# Altium PCB DIO_MCX_Isolated.PCBDOC (part 3 of 5)
Units mm, origin at the board's own origin, x right, y up, seen from the top; angles counter-clockwise.
Board outline 220 x 100 mm, 4 copper layers (L1, P2, P3, L4), stack 1.571 mm thick; 384 components, 255 nets, 1667 pads, 660 vias.
Unrouted connection lines stored in the file: 783.
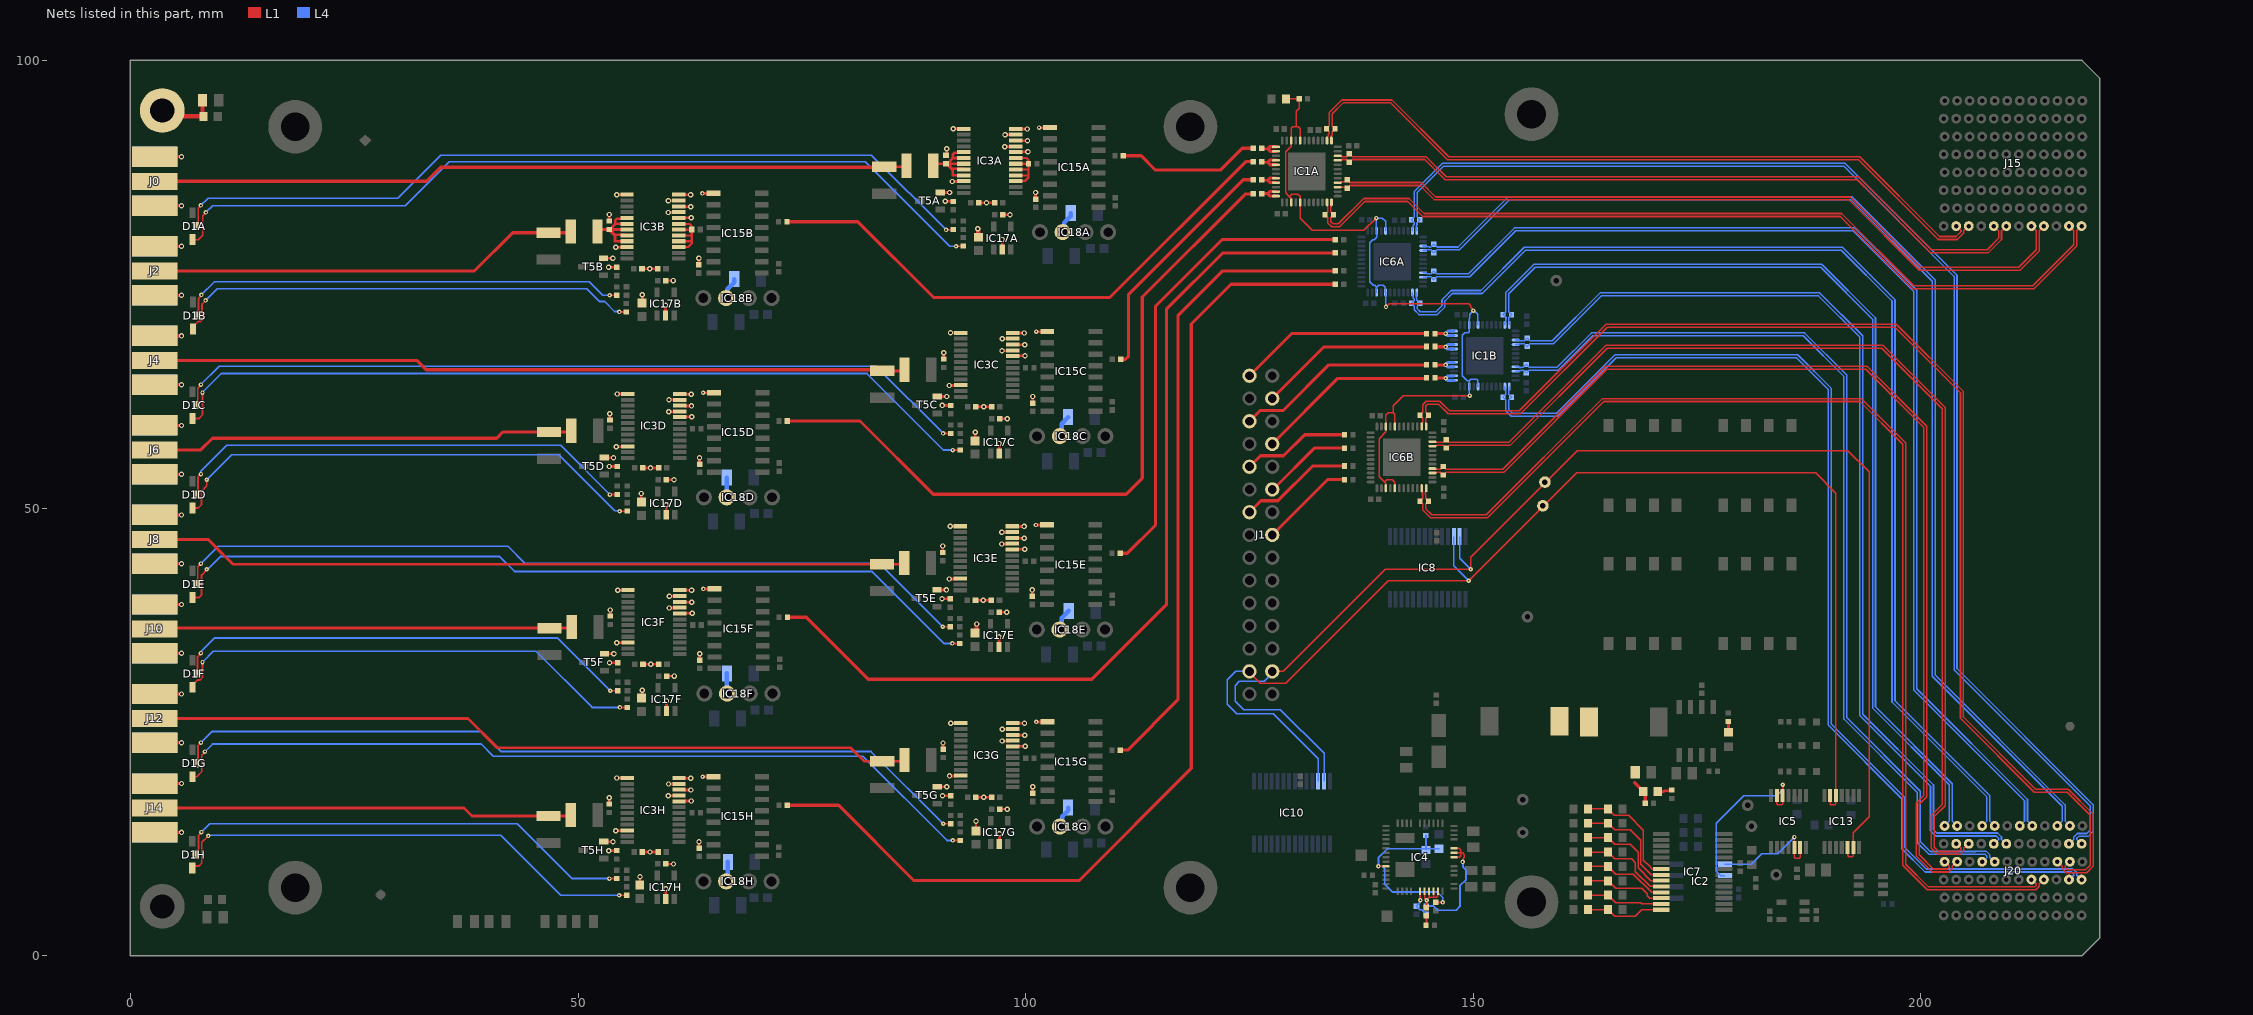
[diagram p5: the nets of this part, all layers, seen from the top]

## Via types
v1: diameter 0.5, hole 0.2, L1 to L4, tented both sides, 381 vias
v2: diameter 0.6, hole 0.3, L1 to L4, tented both sides, 206 vias
v3: diameter 0.5, hole 0.2, L1 to L4, 49 vias
v4: diameter 0.8, hole 0.5, L1 to L4, tented both sides, 19 vias
v5: diameter 0.7, hole 0.4, L1 to L4, tented both sides, 5 vias

## Nets (pads, with @x,y where several pads share a name; then routed paths per layer and width w, separated by ;. In a path a pad name is that pad's centre, name@x,y a point inside that pad or via, vN(x,y) a via of type N, cw(c..) or ccw(c..) an arc to the next point about the centre after c; other vN are vias at no path point) (continued)
GND_ISO0: C31A.1 C32A.1 C34A.1 C35A.1 C36A.1 C39A.1 IC3A.8 IC3A.9 IC3A.10 IC3A.11 IC3A.12 IC3A.13 IC3A.22 IC15A.9 IC17A.2 IC18A.3 J0.2 R65A.1 R67A.1 T5A.2 | length 29.5
  L1 w0.254: C34A.1@97.444,82.767 v2(98.25,82.767)
  L1 w0.3: J0.2@2.74,83.769 v2(5.704,83.769) ; J0.2@2.74,89.23 v2(5.704,89.23) ; T5A.2@90.45,85.261 90.461,85.25 v2(91.5,85.25) ; v2(91.014,84.257) R67A.1@91.93,84.257 ; R65A.1@91.075,89.437 R65A.1@91.1,89.412 ; R65A.1@91.175,89.437 v2(91.175,90.15) ; v2(91.8,86.475) IC3A.22@92.625,86.475 ; v2(91.925,92.361) IC3A.13@92.75,92.361 ; C31A.1@94.8,84.1 v2(95.625,84.1) C32A.1@96.529,84.1 ; IC17A.2@97.379,78.867 v2(97.379,80) ; v2(97.675,90.375) IC3A.9@98.5,90.375 ; v2(97.7,91.7) IC3A.11@98.525,91.7 ; IC3A.12@99.35,92.342 v2(100.175,92.342) ; IC3A.10@99.375,91.025 v2(100.2,91.025) ; IC3A.8@99.425,89.8 v2(100.25,89.8) ; C36A.1@101.105,84.517 v2(101.105,85.25) ; v1(101.5,92.5) 102.717,92.5 IC15A.9@102.73,92.512
  L1 w0.5: v2(94.659,81.204) 94.679,81.185 94.679,80.297 C35A.1@94.725,80.25
  L4 w0.3: J0.2@2.74,83.769 v2(5.704,83.769) ; J0.2@2.74,89.23 v2(5.704,89.23)
  L4 w0.5: IC18A.3@104.135,80.817 104.325,81.008 104.325,81.893 105.05,82.618 C39A.1@105.05,82.943
GND_ISO2: C31B.1 C32B.1 C34B.1 C35B.1 C36B.1 C39B.1 IC3B.8 IC3B.9 IC3B.10 IC3B.11 IC3B.12 IC3B.13 IC3B.22 IC15B.9 IC17B.2 IC18B.3 J2.2 R65B.1 R67B.1 T5B.2 | length 29.8
  L1 w0.254: C35B.1@57.123,72.586 57.175,72.637 v2(57.175,73.835) ; C34B.1@59.839,75.411 v2(60.645,75.411)
  L1 w0.3: J2.2@2.74,73.769 v2(5.704,73.769) ; J2.2@2.74,79.23 v2(5.704,79.23) ; T5B.2@52.845,77.904 52.856,77.893 v2(53.895,77.893) ; v2(53.409,76.901) R67B.1@54.325,76.901 ; v2(53.47,82.793) 53.47,82.081 R65B.1@53.495,82.056 ; v2(54.195,79.118) IC3B.22@55.02,79.118 ; v2(54.32,85.004) IC3B.13@55.145,85.004 ; C31B.1@57.195,76.743 v2(58.02,76.743) C32B.1@58.924,76.743 ; IC17B.2@59.774,71.511 v2(59.774,72.643) ; v2(60.07,83.018) IC3B.9@60.895,83.018 ; v2(60.095,84.343) IC3B.11@60.92,84.343 ; IC3B.12@61.745,84.985 v2(62.57,84.985) ; IC3B.10@61.77,83.668 v2(62.595,83.668) ; IC3B.8@61.82,82.443 v2(62.645,82.443) ; C36B.1@63.5,77.161 v2(63.5,77.893) ; v1(63.895,85.143) 65.113,85.143 IC15B.9@65.125,85.156
  L4 w0.3: J2.2@2.74,73.769 v2(5.704,73.769) ; J2.2@2.74,79.23 v2(5.704,79.23)
  L4 w0.5: IC18B.3@66.53,73.461 66.53,73.571 66.675,73.716 66.675,74.436 67.445,75.206 C39B.1@67.445,75.586
GND_ISO4: C31C.1 C32C.1 C34C.1 C35C.1 C36C.1 C39C.1 IC3C.8 IC3C.9 IC3C.10 IC3C.11 IC3C.12 IC3C.13 IC3C.22 IC15C.9 IC17C.2 IC18C.3 J4.2 R65C.1 R67C.1 T5C.2 | length 29.8
  L1 w0.254: C35C.1@94.326,57.216 94.375,57.265 v2(94.375,58.475) ; C34C.1@97.124,59.978 v2(97.93,59.978)
  L1 w0.3: J4.2@2.74,63.769 v2(5.704,63.769) ; J4.2@2.74,69.23 v2(5.704,69.23) ; T5C.2@90.13,62.471 90.14,62.461 v2(91.18,62.461) ; v2(90.694,61.468) R67C.1@91.61,61.468 ; v2(90.855,67.361) R65C.1@90.855,66.648 R65C.1@90.88,66.623 ; v2(91.48,63.686) IC3C.22@92.305,63.686 ; v2(91.605,69.572) IC3C.13@92.43,69.572 ; C31C.1@94.48,61.311 v2(95.305,61.311) C32C.1@96.209,61.311 ; IC17C.2@97.059,56.078 v2(97.059,57.211) ; v2(97.355,67.586) IC3C.9@98.18,67.586 ; v2(97.38,68.911) IC3C.11@98.205,68.911 ; IC3C.12@99.03,69.553 v2(99.855,69.553) ; IC3C.10@99.055,68.236 v2(99.88,68.236) ; IC3C.8@99.105,67.011 v2(99.93,67.011) ; C36C.1@100.785,61.728 v2(100.785,62.461) ; v1(101.18,69.711) 102.397,69.711 IC15C.9@102.41,69.723
  L4 w0.3: J4.2@2.74,63.769 v2(5.704,63.769) ; J4.2@2.74,69.23 v2(5.704,69.23)
  L4 w0.5: IC18C.3@103.815,58.028 104.013,58.227 104.013,59.437 C39C.1@104.73,60.153
GND_ISO6: C31D.1 C32D.1 C34D.1 C35D.1 C36D.1 C39D.1 IC3D.8 IC3D.9 IC3D.10 IC3D.11 IC3D.12 IC3D.13 IC3D.22 IC15D.9 IC17D.2 IC18D.3 J6.2 R65D.1 R67D.1 T5D.2 | length 29.5
  L1 w0.254: v2(57.047,51.63) 57.047,50.379 C35D.1@57.07,50.355 ; C34D.1@59.909,53.154 v2(60.715,53.154)
  L1 w0.3: J6.2@2.74,53.769 v2(5.704,53.769) ; J6.2@2.74,59.23 v2(5.704,59.23) ; T5D.2@52.915,55.647 52.926,55.636 v2(53.965,55.636) ; v2(53.479,54.644) R67D.1@54.395,54.644 ; v2(53.54,60.536) 53.54,59.824 R65D.1@53.565,59.799 ; v2(54.265,56.861) IC3D.22@55.09,56.861 ; v2(54.39,62.747) IC3D.13@55.215,62.747 ; C31D.1@57.265,54.486 v2(58.09,54.486) C32D.1@58.994,54.486 ; IC17D.2@59.844,49.254 v2(59.844,50.386) ; v2(60.14,60.761) IC3D.9@60.965,60.761 ; v2(60.165,62.086) IC3D.11@60.99,62.086 ; IC3D.12@61.815,62.729 v2(62.64,62.729) ; IC3D.10@61.84,61.411 v2(62.665,61.411) ; IC3D.8@61.89,60.186 v2(62.715,60.186) ; C36D.1@63.57,54.904 v2(63.57,55.636) ; v1(63.965,62.886) 65.183,62.886 IC15D.9@65.195,62.899
  L4 w0.3: J6.2@2.74,53.769 v2(5.704,53.769) ; J6.2@2.74,59.23 v2(5.704,59.23)
  L4 w0.5: IC18D.3@66.6,51.204 66.62,51.224 C39D.1@66.62,53.404
GND_ISO8: C31E.1 C32E.1 C34E.1 C35E.1 C36E.1 C39E.1 IC3E.8 IC3E.9 IC3E.10 IC3E.11 IC3E.12 IC3E.13 IC3E.22 IC15E.9 IC17E.2 IC18E.3 J8.2 R65E.1 R67E.1 T5E.2 | length 29.6
  L1 w0.254: C34E.1@97.089,38.377 v2(97.895,38.377)
  L1 w0.3: J8.2@2.74,43.769 v2(5.704,43.769) ; J8.2@2.74,49.23 v2(5.704,49.23) ; T5E.2@90.095,40.87 90.106,40.859 v2(91.145,40.859) ; v2(90.659,39.867) R67E.1@91.575,39.867 ; v2(90.72,45.759) R65E.1@90.72,45.047 R65E.1@90.745,45.022 ; v2(91.445,42.084) IC3E.22@92.27,42.084 ; v2(91.57,47.971) IC3E.13@92.395,47.971 ; C31E.1@94.445,39.709 v2(95.27,39.709) C32E.1@96.174,39.709 ; IC17E.2@97.024,34.477 v2(97.024,35.609) ; v2(97.32,45.984) IC3E.9@98.145,45.984 ; v2(97.345,47.309) IC3E.11@98.17,47.309 ; IC3E.12@98.995,47.952 v2(99.82,47.952) ; IC3E.10@99.02,46.634 v2(99.845,46.634) ; IC3E.8@99.07,45.409 v2(99.895,45.409) ; C36E.1@100.75,40.127 v2(100.75,40.859) ; v1(101.145,48.109) 102.363,48.109 IC15E.9@102.375,48.122
  L1 w0.5: C35E.1@94.35,36.035 94.506,36.191 94.506,37.031 v2(94.525,37.05)
  L4 w0.3: J8.2@2.74,43.769 v2(5.704,43.769) ; J8.2@2.74,49.23 v2(5.704,49.23)
  L4 w0.5: IC18E.3@103.78,36.427 104.029,36.676 104.029,37.729 C39E.1@104.825,38.525
GND_ISO10: C31F.1 C32F.1 C34F.1 C35F.1 C36F.1 C39F.1 IC3F.8 IC3F.9 IC3F.10 IC3F.11 IC3F.12 IC3F.13 IC3F.22 IC15F.9 IC17F.2 IC18F.3 J10.2 R65F.1 R67F.1 T5F.2 | length 29.4
  L1 w0.254: C35F.1@57.103,28.49 57.16,28.547 v2(57.16,29.639) ; C34F.1@59.949,31.234 v2(60.755,31.234)
  L1 w0.3: J10.2@2.74,33.769 v2(5.704,33.769) ; J10.2@2.74,39.23 v2(5.704,39.23) ; T5F.2@52.955,33.728 52.966,33.717 v2(54.005,33.717) ; v2(53.519,32.724) R67F.1@54.435,32.724 ; v2(53.58,38.617) 53.58,37.904 R65F.1@53.605,37.879 ; v2(54.305,34.942) IC3F.22@55.13,34.942 ; v2(54.43,40.828) IC3F.13@55.255,40.828 ; C31F.1@57.305,32.567 v2(58.13,32.567) C32F.1@59.034,32.567 ; IC17F.2@59.884,27.334 v2(59.884,28.467) ; v2(60.18,38.842) IC3F.9@61.005,38.842 ; v2(60.205,40.167) IC3F.11@61.03,40.167 ; IC3F.12@61.855,40.809 v2(62.68,40.809) ; IC3F.10@61.88,39.492 v2(62.705,39.492) ; IC3F.8@61.93,38.267 v2(62.755,38.267) ; C36F.1@63.61,32.984 v2(63.61,33.717) ; v1(64.005,40.967) 65.223,40.967 IC15F.9@65.235,40.979
  L4 w0.3: J10.2@2.74,33.769 v2(5.704,33.769) ; J10.2@2.74,39.23 v2(5.704,39.23)
  L4 w0.5: C39F.1@66.635,31.534 66.635,29.289 IC18F.3@66.64,29.284
GND_ISO12: C31G.1 C32G.1 C34G.1 C35G.1 C36G.1 C39G.1 IC3G.8 IC3G.9 IC3G.10 IC3G.11 IC3G.12 IC3G.13 IC3G.22 IC15G.9 IC17G.2 IC18G.3 J12.2 R65G.1 R67G.1 T5G.2 | length 29.9
  L1 w0.254: C35G.1@94.453,13.648 v2(94.453,15.022) ; C34G.1@97.132,16.375 v2(97.938,16.375)
  L1 w0.3: J12.2@2.74,23.769 v2(5.704,23.769) ; J12.2@2.74,29.23 v2(5.704,29.23) ; T5G.2@90.138,18.868 90.149,18.858 v2(91.188,18.858) ; v2(90.702,17.865) R67G.1@91.618,17.865 ; v2(90.763,23.758) 90.763,23.045 R65G.1@90.788,23.02 ; v2(91.488,20.083) IC3G.22@92.313,20.083 ; v2(91.613,25.969) IC3G.13@92.438,25.969 ; C31G.1@94.488,17.708 v2(95.313,17.708) C32G.1@96.217,17.708 ; IC17G.2@97.067,12.475 v2(97.067,13.608) ; v2(97.363,23.983) IC3G.9@98.188,23.983 ; v2(97.388,25.308) IC3G.11@98.213,25.308 ; IC3G.12@99.038,25.95 v2(99.863,25.95) ; IC3G.10@99.063,24.633 v2(99.888,24.633) ; IC3G.8@99.113,23.408 v2(99.938,23.408) ; C36G.1@100.793,18.125 v2(100.793,18.858) ; v1(101.188,26.108) 102.405,26.108 IC15G.9@102.418,26.12
  L4 w0.3: J12.2@2.74,23.769 v2(5.704,23.769) ; J12.2@2.74,29.23 v2(5.704,29.23)
  L4 w0.5: IC18G.3@103.823,14.425 104.072,14.674 104.072,15.559 104.738,16.225 C39G.1@104.738,16.55
GND_ISO14: C31H.1 C32H.1 C34H.1 C35H.1 C36H.1 C39H.1 IC3H.8 IC3H.9 IC3H.10 IC3H.11 IC3H.12 IC3H.13 IC3H.22 IC15H.9 IC17H.2 IC18H.3 J14.2 R65H.1 R67H.1 T5H.2 | length 29.5
  L1 w0.254: C35H.1@56.89,7.574 56.917,7.601 v2(56.917,8.823) ; C34H.1@59.852,10.249 v2(60.658,10.249)
  L1 w0.3: J14.2@2.74,13.769 v2(5.704,13.769) ; J14.2@2.74,19.23 v2(5.704,19.23) ; T5H.2@52.858,12.742 52.869,12.732 v2(53.908,12.732) ; v2(53.422,11.739) R67H.1@54.338,11.739 ; v2(53.483,17.632) 53.483,16.919 R65H.1@53.508,16.894 ; v2(54.208,13.957) IC3H.22@55.033,13.957 ; v2(54.333,19.843) IC3H.13@55.158,19.843 ; C31H.1@57.208,11.582 v2(58.033,11.582) C32H.1@58.937,11.582 ; IC17H.2@59.787,6.349 v2(59.787,7.482) ; v2(60.083,17.857) IC3H.9@60.908,17.857 ; v2(60.108,19.182) IC3H.11@60.933,19.182 ; IC3H.12@61.758,19.824 v2(62.583,19.824) ; IC3H.10@61.783,18.507 v2(62.608,18.507) ; IC3H.8@61.833,17.282 v2(62.658,17.282) ; C36H.1@63.513,11.999 v2(63.513,12.732) ; v1(63.908,19.982) 65.126,19.982 IC15H.9@65.138,19.994
  L4 w0.3: J14.2@2.74,13.769 v2(5.704,13.769) ; J14.2@2.74,19.23 v2(5.704,19.23)
  L4 w0.5: IC18H.3@66.543,8.299 66.738,8.494 C39H.1@66.738,10.474
I2C0_SCL: B8.1 IC8.12 IC10.12 IC13.2 IC13.3 J1.4 | length 139.7
  L1 w0.152: J1.4@125,31.76 125,31.6 126.175,30.425 129.075,30.425 140.525,41.875 v1(149.5,41.875) 161.55,53.925 188.25,53.925 190.505,51.67 IC13.3@190.505,17.9 190.505,16.946 190.409,16.85 189.95,16.85 189.855,16.945 IC13.2@189.855,17.9
  L4 w0.152: J1.4@125,31.76 123.46,31.76 122.5,30.8 122.5,28.1 123.575,27.025 127.675,27.025 132.675,22.025 IC10.12@132.675,19.475 ; IC8.12@147.825,46.825 147.825,43.559 v1@149.505,41.88
I2C0_SDA: B7.1 IC8.13 IC10.13 IC13.9 IC13.10 J1.3 | length 150.3
  L1 w0.152: J1.3@127.54,31.76 128.76,31.76 140.171,43.171 v1(149.725,43.171) 149.725,44.506 161.637,56.418 191.832,56.418 194.2,54.05 194.2,15.5 192.455,13.755 IC13.9@192.455,12.1 192.455,11.139 192.366,11.05 191.955,11.05 191.805,11.2 191.805,12 191.855,12.05 IC13.10@191.805,12.1
  L4 w0.152: J1.3@127.54,31.76 127.54,31.54 126.65,30.65 123.878,30.65 123.4,30.172 123.4,28.45 124.364,27.486 128.439,27.486 133.325,22.6 IC10.13@133.325,19.475 ; IC8.13@148.475,46.825 148.475,44.373 v1@149.701,43.147
I2C1_SCL: IC2.6 IC5.2 IC5.3 | length 19.9
  L1 w0.152: IC5.2@183.905,17.9 183.905,16.947 184.002,16.85 184.466,16.85 184.555,16.939 IC5.3@184.555,17.9 v1(184.555,19.084)
  L4 w0.152: IC2.6@178.105,8.955 177.63,8.955 177.127,9.458 177.127,14.777 180.225,17.875 183.88,17.875 184.555,18.55 v1(184.555,19.084)
I2C1_SDA: IC2.5 IC5.9 IC5.10 | length 13.3
  L1 w0.151: v1@185.875,13.035 v1(185.875,13.25)
  L1 w0.152: v1(185.875,13.25) 185.865,13.24 185.865,12.11 IC5.10@185.855,12.1 185.855,10.989 185.944,10.9 186.4,10.9 186.505,11.005 IC5.9@186.505,12.1
  L4 w0.151: IC2.5@178.105,10.225 181.065,10.225 182.247,11.408 184.033,11.408 v1(185.875,13.25)
ID0: IC7.21 R45.1 R56.2 | length 13
  L1 w0.152: R45.1@162.8,16.4 R56.2@165.049,16.4 165.753,15.697 167.337,15.697 169,14.034 169,10.657 169.682,9.975 169.682,9.964 169.964,9.682 IC7.21@171,9.682
ID1: IC7.22 R41.1 R50.2 | length 12.2
  L1 w0.152: R41.1@162.8,14.793 R50.2@165.049,14.793 165.799,14.043 167.543,14.043 168.7,12.886 168.7,10.2 169.868,9.032 IC7.22@171,9.032
ID2: IC7.23 R44.1 R55.2 | length 11.2
  L1 w0.152: R44.1@162.8,13.186 R55.2@165.049,13.186 165.799,12.436 167.513,12.436 168.4,11.549 168.4,9.8 169.818,8.382 IC7.23@171,8.382
ID3: IC7.24 R40.1 R49.2 | length 10.4
  L1 w0.152: R40.1@162.8,11.579 R49.2@165.049,11.579 165.799,10.829 167.671,10.829 168.1,10.4 168.1,9.4 169.768,7.732 IC7.24@171,7.732
ID4: IC7.25 R43.1 R54.2 | length 9.4
  L1 w0.152: R43.1@162.8,9.971 R54.2@165.049,9.971 165.907,9.114 167.886,9.114 169.918,7.082 IC7.25@171,7.082
ID5: IC7.26 R39.1 R48.2 | length 9.1
  L1 w0.152: R39.1@162.8,8.364 R48.2@165.049,8.364 165.907,7.507 168.813,7.507 169.425,6.896 169.425,6.689 169.682,6.432 IC7.26@171,6.432
ID6: IC7.27 R42.1 R53.2 | length 8.6
  L1 w0.152: R42.1@162.8,6.757 R53.2@165.049,6.757 165.907,5.9 168.685,5.9 168.803,5.782 IC7.27@171,5.782
ID7: IC7.28 R38.1 R47.2 | length 8.8
  L1 w0.152: R38.1@162.8,5.15 R47.2@165.049,5.15 165.799,4.4 168.071,4.4 168.803,5.132 IC7.28@171,5.132
IO0: R15A.2 R20A.1 | length 16.2
  L1 w0.35: R15A.2@110.9,89.35 112.9,89.35 114.5,87.75 121.73,87.75 124.18,90.2 R20A.1@125.43,90.2
IO1: J1.30 R17B.1 | length 21.7
  L1 w0.35: J1.30@125,64.78 129.714,69.494 R17B.1@144.78,69.494
IO2: R15B.2 R19A.1 | length 61.9
  L1 w0.35: R15B.2@73.325,81.981 81.261,81.981 89.707,73.535 109.425,73.535 124.592,88.702 R19A.1@125.43,88.702
IO3: J1.27 R18B.1 | length 19.6
  L1 w0.35: J1.27@127.54,62.24 133.294,67.994 144.726,67.994 R18B.1@144.78,68.048
IO4: R15C.2 R18A.1 | length 27.2
  L1 w0.35: R15C.2@110.61,66.6 110.633,66.623 111.155,66.623 111.5,66.968 111.5,73.87 124.3,86.67 R18A.1@125.43,86.67
IO5: J1.26 R19B.1 | length 22.4
  L1 w0.35: J1.26@125,59.7 126.2,60.9 128.775,60.9 133.869,65.994 R19B.1@144.78,65.994
IO6: R15D.2 R17A.1 | length 81.2
  L1 w0.35: R15D.2@73.37,59.724 81.491,59.724 89.678,51.538 111.217,51.538 113.028,53.348 113.028,73.578 124.3,84.85 124.55,85.1 R17A.1@125.43,85.1
IO7: J1.23 R20B.1 | length 20.3
  L1 w0.35: J1.23@127.54,57.16 134.874,64.494 144.722,64.494 R20B.1@144.78,64.551
IO8: R15E.2 R22A.1 | length 52.9
  L1 w0.35: R15E.2@110.57,44.947 111.35,44.947 114.5,48.097 114.5,72.55 121.946,79.996 R22A.1@134.589,79.996
IO9: J1.22 R26B.1 | length 12.1
  L1 w0.35: J1.22@125,54.62 126.23,55.85 128.806,55.85 131.154,58.197 R26B.1@135.605,58.197
IO10: R15F.2 R23A.1 | length 103.1
  L1 w0.35: R15F.2@73.395,37.8 75.49,37.8 75.495,37.805 82.419,30.881 107.393,30.881 115.75,39.239 115.75,72.25 121.996,78.496 R23A.1@134.589,78.496
IO11: J1.19 R25B.1 | length 9.7
  L1 w0.35: J1.19@127.787,52.245 132.242,56.7 R25B.1@135.605,56.7
IO12: R15G.2 R25A.1 | length 71.3
  L1 w0.35: R15G.2@110.57,22.946 110.585,22.961 111.385,22.961 117,28.576 117,30.121 117,65.269 117,71.5 121.996,76.496 134.58,76.496 R25A.1@134.589,76.505
IO13: J1.18 R23B.1 | length 12.7
  L1 w0.35: J1.18@125,49.54 126.285,50.825 128.175,50.825 132.05,54.7 R23B.1@135.605,54.7
IO14: R15H.2 R26A.1 | length 121.4
  L1 w0.35: R15H.2@73.37,16.8 79.1,16.8 87.518,8.382 105.957,8.382 118.5,20.925 118.5,70.564 122.932,74.996 134.585,74.996 R26A.1@134.589,75
IO15: J1.15 R22B.1 | length 10.6
  L1 w0.35: J1.15@127.54,47 133.725,53.185 135.595,53.185 R22B.1@135.605,53.175
IO_CON0: J0.1 R62A.1 R64A.2 | length 84.5
  L1 w0.3: R64A.2@84.099,88.118 86.453,88.118 R62A.1@86.58,88.245
  L1 w0.35: J0.1@2.74,86.5 33.068,86.5 34.643,88.075 83.682,88.075 R64A.2@83.98,88.372
IO_CON2: J2.1 R62B.1 R64B.2 | length 48.3
  L1 w0.35: J2.1@2.74,76.5 38.429,76.5 42.691,80.761 R64B.2@46.694,80.761 49.049,80.761 R62B.1@49.175,80.888
IO_CON4: J4.1 R62C.1 R64C.2 | length 85
  L1 w0.35: J4.1@2.74,66.5 32,66.5 33.045,65.455 R64C.2@84.803,65.455 ; R64C.2@83.979,65.329 86.333,65.329 R62C.1@86.46,65.455
IO_CON6: J6.1 R62D.1 R64D.2 | length 47.4
  L1 w0.35: J6.1@2.74,56.5 7.857,56.5 9.162,57.805 40.9,57.805 41.6,58.504 R64D.2@46.764,58.504 49.119,58.504 R62D.1@49.245,58.631
IO_CON8: J8.1 R62E.1 R64E.2 | length 84.9
  L1 w0.3: 10.25,44.912 11.434,43.728 R64E.2@83.944,43.728 86.299,43.728 R62E.1@86.425,43.854
  L1 w0.35: J8.1@2.74,46.5 8.662,46.5 10.25,44.912
IO_CON10: J10.1 R62F.1 R64F.2 | length 46.6
  L1 w0.35: J10.1@2.74,36.5 2.825,36.585 R64F.2@46.804,36.585 49.159,36.585 R62F.1@49.285,36.711
IO_CON12: J12.1 R62G.1 R64G.2 | length 85.8
  L1 w0.3: 17.833,26.5 37.7,26.5 40.972,23.228 80.45,23.228 81.952,21.726 R64G.2@83.987,21.726 86.342,21.726 R62G.1@86.468,21.852
  L1 w0.35: J12.1@2.74,26.5 17.833,26.5
IO_CON14: J14.1 R62H.1 R64H.2 | length 46.9
  L1 w0.35: J14.1@2.74,16.5 37.255,16.5 38.155,15.6 R64H.2@46.707,15.6 49.062,15.6 R62H.1@49.188,15.726
LEDAA: D1A.1 R66A.2 | length 92.4
  L1 w0.152: D1A.1@7.321,81.5 7.575,81.754 7.575,83.504 v1(7.871,83.8) ; v1(91.11,81.075) 91.877,81.075 R66A.2@91.93,81.128
  L4 w0.152: v1(7.871,83.8) 8.696,84.625 29.875,84.625 34.687,89.437 82.747,89.437 v1(91.11,81.075)
LEDAB: D1B.1 R66B.2 | length 50.2
  L1 w0.2: D1B.1@7.377,71.508 7.587,71.717 7.587,73.386 7.927,73.726 v1(7.927,73.808) ; v1(53.52,73.771) R66B.2@54.325,73.771
  L4 w0.2: v1(7.927,73.808) 9.395,75.275 51.261,75.275 52.765,73.771 v1(53.52,73.771)
LEDAC: D1C.1 R66C.2 | length 90.2
  L1 w0.2: D1C.1@7.321,61.5 7.531,61.71 7.531,63.379 7.871,63.719 v1(7.871,63.8) ; v1(90.774,58.338) R66C.2@91.61,58.338
  L4 w0.2: v1(7.871,63.8) 9.921,65.85 83.263,65.85 v1(90.774,58.338)
LEDAD: D1D.1 R66D.2 | length 52.9
  L1 w0.2: D1D.1@7.321,51.5 7.55,51.729 7.55,53.479 v1(7.871,53.8) ; v1(53.56,51.514) R66D.2@54.395,51.514
  L4 w0.2: v1(7.871,53.8) 7.871,54.121 10.775,57.025 48.049,57.025 v1(53.56,51.514)
LEDAE: D1E.1 R66E.2 | length 90.8
  L1 w0.2: D1E.1@7.321,41.5 7.531,41.71 7.531,43.46 v1(7.871,43.8) ; v1(90.74,36.737) R66E.2@91.575,36.737
  L4 w0.2: v1(7.871,43.8) 9.796,45.725 42.175,45.725 44.1,43.8 83.677,43.8 v1(90.74,36.737)
LEDAF: D1F.1 R66F.2 | length 52.3
  L1 w0.2: D1F.1@7.321,31.5 7.5,31.679 7.5,33.393 7.871,33.764 v1(7.871,33.8) ; v1(53.6,29.594) R66F.2@54.435,29.594
  L4 w0.2: v1(7.871,33.8) 7.871,33.971 9.4,35.5 47.695,35.5 v1(53.6,29.594)
LEDAG: D1G.1 R66G.2 | length 91.1
  L1 w0.2: D1G.1@7.321,21.5 7.55,21.729 7.55,23.479 v1(7.871,23.8) ; v1(90.783,14.735) R66G.2@91.618,14.735
  L4 w0.2: v1(7.871,23.8) 9.121,25.05 39.15,25.05 41.4,22.8 82.718,22.8 v1(90.783,14.735)
LEDAH: D1H.1 R66H.2 | length 51.9
  L1 w0.2: D1H.1@7.377,11.508 7.587,11.717 7.587,13.386 7.927,13.726 v1(7.927,13.808) ; v1(53.503,8.609) R66H.2@54.338,8.609
  L4 w0.2: v1(7.927,13.808) 8.87,14.75 43.195,14.75 49.335,8.609 v1(53.503,8.609)
LVDS1A_N: IC1A.48 J15.B1 R7A.2 | length 95
  L1 w0.178: IC1A.48@134.156,84.15 134.156,83.817 134.071,83.732 134.071,83.487 134.077,83.481 134.077,83.092 134.382,82.787 R7A.2@134.382,82.767 134.382,82.747 134.077,82.443 134.077,82.191 134.077,81.989 134.317,81.75 134.922,81.75 137.753,84.58 142.82,84.58 144.5,82.9 191.136,82.9 199.206,74.83 212.489,74.83 217.074,79.415 217.074,80.965 J15.B1@216.539,81.5
LVDS1A_P: IC1A.47 J15.A1 R7A.1 | length 96.1
  L1 w0.178: IC1A.47@133.656,84.15 133.656,83.817 133.741,83.732 133.741,83.35 133.747,83.344 133.747,83.092 133.442,82.787 R7A.1@133.442,82.767 133.442,82.747 133.747,82.443 133.747,82.054 133.747,81.853 134.18,81.42 135.059,81.42 137.889,84.25 142.683,84.25 144.363,82.57 190.999,82.57 199.069,74.5 212.626,74.5 217.404,79.278 217.404,80.965 J15.A1@217.939,81.5
LVDS1B_N: IC1B.48 J20.L6 R7B.2 | length 108.4
  L4 w0.178: IC1B.48@154.032,70.473 154.032,70.806 153.947,70.891 153.947,70.986 153.952,70.991 153.952,71.292 154.057,71.396 154.069,71.396 154.27,71.598 R7B.2@154.27,71.618 154.27,71.638 153.965,71.942 153.965,73.94 156.925,76.9 188.8,76.9 194.6,71.1 194.6,27.658 203.174,19.084 203.174,15.035 J20.L6@202.639,14.5
LVDS1B_P: IC1B.47 J20.K6 R7B.1 | length 109.5
  L4 w0.178: IC1B.47@153.532,70.473 153.532,70.806 153.617,70.891 153.617,71.087 153.648,71.117 153.648,71.292 153.543,71.396 153.531,71.396 153.33,71.598 R7B.1@153.33,71.618 153.33,71.638 153.635,71.942 153.635,74.077 156.788,77.23 188.937,77.23 194.93,71.237 194.93,27.795 203.504,19.221 203.504,15.035 J20.K6@204.039,14.5
LVDS2A_N: IC1A.4 J15.E1 R9A.2 | length 85.9
  L1 w0.178: IC1A.4@134.856,86.35 135.189,86.35 135.308,86.469 135.699,86.469 R9A.2@135.9,86.67 135.92,86.67 136.225,86.365 144.174,86.365 145.789,84.75 192.105,84.75 199.955,76.9 210.932,76.9 212.874,78.841 212.874,80.965 J15.E1@212.339,81.5
LVDS2A_P: IC1A.3 J15.D1 R9A.1 | length 86.3
  L1 w0.178: IC1A.3@134.856,85.85 135.78,85.85 R9A.1@135.9,85.73 135.92,85.73 136.225,86.035 144.038,86.035 145.653,84.42 191.968,84.42 199.818,76.57 211.069,76.57 213.204,78.705 213.204,80.965 J15.D1@213.739,81.5
LVDS2B_N: IC1B.4 J20.H5 R9B.2 | length 110.1
  L4 w0.178: IC1B.4@154.732,68.273 155.065,68.273 155.15,68.357 155.262,68.357 155.269,68.365 155.682,68.365 155.786,68.261 155.786,68.249 155.987,68.048 R9B.2@156.007,68.048 156.027,68.048 156.332,68.352 158.952,68.352 164.3,73.7 188.57,73.7 193.17,69.1 193.17,26.83 201.07,18.93 201.07,13.946 201.641,13.375 208.419,13.375 208.674,13.12 208.674,12.973 208.201,12.5 J20.H5@208.139,12.5
LVDS2B_P: IC1B.3 J20.G5 R9B.1 | length 110.7
  L4 w0.178: IC1B.3@154.732,68.773 155.065,68.773 155.15,68.688 155.262,68.688 155.279,68.67 155.682,68.67 155.786,68.774 155.786,68.786 155.987,68.988 R9B.1@156.007,68.988 156.027,68.988 156.332,68.683 158.816,68.683 164.163,74.03 188.707,74.03 193.5,69.237 193.5,26.967 201.4,19.067 201.4,14.083 201.778,13.705 208.556,13.705 209.004,13.257 209.004,12.973 209.477,12.5 J20.G5@209.539,12.5
LVDS3A_N: IC1A.10 J15.H1 R11A.2 | length 80.5
  L1 w0.178: IC1A.10@134.856,89.35 135.189,89.35 135.274,89.265 135.831,89.265 136.136,89.57 R11A.2@136.156,89.57 136.176,89.57 136.481,89.265 136.893,89.265 136.895,89.264 144.702,89.264 146.966,87 193.036,87 201.169,78.867 207.4,78.867 208.674,80.141 208.674,80.965 J15.H1@208.139,81.5
LVDS3A_P: IC1A.9 J15.G1 R11A.1 | length 81.1
  L1 w0.178: IC1A.9@134.856,88.85 135.189,88.85 135.274,88.935 135.831,88.935 136.136,88.63 R11A.1@136.156,88.63 136.176,88.63 136.481,88.935 136.756,88.935 136.758,88.934 144.565,88.934 146.829,86.67 192.899,86.67 194.697,84.872 201.032,78.537 207.537,78.537 209.004,80.004 209.004,80.965 J15.G1@209.539,81.5
LVDS3B_N: IC1B.10 J20.I4 R11B.2 | length 105.2
  L4 w0.178: IC1B.10@154.732,65.273 155.065,65.273 155.15,65.357 155.363,65.357 155.42,65.415 155.607,65.415 155.711,65.311 155.711,65.299 155.912,65.098 R11B.2@155.932,65.098 155.952,65.098 156.257,65.402 159.497,65.402 163.331,69.237 186.863,69.237 191.4,64.7 191.4,26.433 199.6,18.233 199.6,15.9 199.6,12.631 200.92,11.311 206.276,11.311 206.281,11.317 207.177,11.317 207.374,11.12 207.374,10.973 206.901,10.5 J20.I4@206.839,10.5
LVDS3B_P: IC1B.9 J20.H4 R11B.1 | length 105.7
  L4 w0.178: IC1B.9@154.732,65.773 155.065,65.773 155.15,65.688 155.262,65.688 155.294,65.72 155.607,65.72 155.711,65.824 155.711,65.836 155.912,66.038 R11B.1@155.932,66.038 155.952,66.038 156.257,65.733 159.36,65.733 163.195,69.567 187,69.567 191.73,64.837 191.73,26.57 199.93,18.37 199.93,12.768 201.056,11.641 206.139,11.641 206.145,11.647 207.314,11.647 207.704,11.257 207.704,10.973 208.177,10.5 J20.H4@208.239,10.5
LVDS4A_N: IC1A.14 J15.K1 R13A.2 | length 82.1
  L1 w0.178: IC1A.14@133.656,91.05 133.656,91.383 133.813,91.54 133.813,91.733 133.912,91.832 133.912,92.025 133.607,92.33 R13A.2@133.607,92.35 133.607,92.37 133.912,92.675 133.912,94.182 135.318,95.587 140.908,95.587 147.265,89.23 193.17,89.23 202.066,80.334 203.928,80.334 204.474,80.88 204.474,81.027 204.001,81.5 J15.K1@203.939,81.5
LVDS4A_P: IC1A.13 J15.J1 R13A.1 | length 82
  L1 w0.178: IC1A.13@134.156,91.05 134.143,91.063 134.143,91.596 134.242,91.696 134.242,92.025 134.547,92.33 R13A.1@134.547,92.35 134.547,92.37 134.242,92.675 134.242,94.045 135.454,95.257 140.771,95.257 147.128,88.9 193.033,88.9 201.929,80.004 204.065,80.004 204.804,80.743 204.804,81.027 205.277,81.5 J15.J1@205.339,81.5
LVDS4B_N: IC1B.14 J20.B3 R13B.2 | length 119.4
  L4 w0.178: IC1B.14@153.532,63.573 153.532,63.24 153.617,63.155 153.617,63.043 153.64,63.021 153.64,62.725 153.536,62.621 153.523,62.621 153.322,62.42 R13B.2@153.322,62.4 153.322,62.38 153.627,62.075 153.627,60.875 154.232,60.27 159.439,60.27 165.969,66.8 186.1,66.8 189.67,63.23 189.67,25.73 197.87,17.53 197.87,11.946 200.466,9.35 216.844,9.35 217.074,9.12 217.074,8.973 216.601,8.5 J20.B3@216.539,8.5
LVDS4B_P: IC1B.13 J20.A3 R13B.1 | length 119.4
  L4 w0.178: IC1B.13@154.032,63.573 154.032,63.24 153.947,63.155 153.947,63.043 153.945,63.04 153.945,62.725 154.049,62.621 154.061,62.621 154.262,62.42 R13B.1@154.262,62.4 154.262,62.38 153.957,62.075 153.957,61.012 154.369,60.6 159.302,60.6 165.832,67.13 186.237,67.13 190,63.367 190,25.867 198.2,17.667 198.2,12.083 200.603,9.68 216.981,9.68 217.404,9.257 217.404,8.973 217.877,8.5 J20.A3@217.939,8.5
LVDS5A_N: IC6A.48 J20.B5 R16A.2 | length 142.2
  L4 w0.178: IC6A.48@143.7,80.975 143.7,81.308 143.615,81.393 143.615,81.488 143.708,81.582 143.708,81.875 143.813,81.979 143.825,81.979 144.026,82.18 R16A.2@144.026,82.2 144.026,82.22 143.721,82.525 143.721,85.213 146.677,88.17 191.399,88.17 203.7,75.869 203.7,31.933 218.9,16.733 218.9,14.03 218.525,13.655 217.472,13.655 217.074,13.257 217.074,12.973 216.601,12.5 J20.B5@216.539,12.5
LVDS5A_P: IC6A.47 J20.A5 R16A.1 | length 143.3
  L4 w0.178: IC6A.47@143.2,80.975 143.2,81.308 143.285,81.393 143.285,81.589 143.404,81.708 143.404,81.875 143.299,81.979 143.287,81.979 143.086,82.18 R16A.1@143.086,82.2 143.086,82.22 143.391,82.525 143.391,85.35 146.541,88.5 191.536,88.5 204.03,76.006 204.03,32.07 219.23,16.87 219.23,13.893 218.662,13.325 217.609,13.325 217.404,13.12 217.404,12.973 217.877,12.5 J20.A5@217.939,12.5
LVDS5B_N: IC6B.48 J20.E3 R16B.2 | length 127.5
  L1 w0.178: IC6B.48@144.736,52.218 144.736,51.885 144.651,51.8 144.651,51.541 144.692,51.501 144.692,51.112 144.996,50.808 R16B.2@144.996,50.788 144.996,50.768 144.7,50.471 144.7,49.898 145.344,49.254 151.454,49.254 164.434,62.233 193.333,62.233 198.301,57.266 198.301,10.228 200.845,7.683 212.677,7.683 212.874,7.88 212.874,8.027 212.401,8.5 J20.E3@212.339,8.5
LVDS5B_P: IC6B.47 J20.D3 R16B.1 | length 128.6
  L1 w0.178: IC6B.47@144.236,52.218 144.236,51.885 144.321,51.8 144.321,51.404 144.361,51.364 144.361,51.112 144.056,50.808 R16B.1@144.056,50.788 144.056,50.768 144.37,50.454 144.37,49.761 145.207,48.923 151.591,48.923 164.571,61.903 193.197,61.903 197.971,57.129 197.971,10.091 200.709,7.353 212.814,7.353 213.204,7.743 213.204,8.027 213.677,8.5 J20.D3@213.739,8.5
LVDS6A_N: IC6A.4 J20.C6 R21A.2 | length 130.3
  L4 w0.178: IC6A.4@144.4,78.775 144.733,78.775 144.818,78.86 144.929,78.86 144.942,78.848 145.25,78.848 145.354,78.743 145.354,78.731 145.555,78.53 R21A.2@145.575,78.53 145.595,78.53 145.9,78.835 148.426,78.835 154.011,84.42 192.18,84.42 201.27,75.33 201.27,31.212 215.774,16.708 215.774,15.035 J20.C6@215.239,14.5
LVDS6A_P: IC6A.3 J20.B6 R21A.1 | length 130.9
  L4 w0.178: IC6A.3@144.4,79.275 144.733,79.275 144.818,79.19 145.03,79.19 145.068,79.152 145.25,79.152 145.354,79.257 145.354,79.269 145.555,79.47 R21A.1@145.575,79.47 145.595,79.47 145.9,79.165 148.289,79.165 153.874,84.75 192.317,84.75 201.6,75.467 201.6,31.349 216.104,16.845 216.104,15.035 J20.B6@216.639,14.5
LVDS6B_N: IC6B.4 J20.L4 R21B.2 | length 116.3
  L1 w0.178: IC6B.4@145.436,54.418 145.769,54.418 145.854,54.333 146.311,54.333 146.616,54.638 R21B.2@146.636,54.638 146.656,54.638 146.961,54.333 153.285,54.333 164.783,65.83 193.97,65.83 200.65,59.15 200.65,17.753 199.8,16.903 199.8,11.273 201.39,9.683 202.977,9.683 203.174,9.88 203.174,10.027 202.701,10.5 J20.L4@202.639,10.5
LVDS6B_P: IC6B.3 J20.K4 R21B.1 | length 116.8
  L1 w0.178: IC6B.3@145.436,53.918 145.769,53.918 145.854,54.002 146.311,54.002 146.616,53.698 R21B.1@146.636,53.698 146.656,53.698 146.961,54.002 153.422,54.002 164.919,65.5 193.833,65.5 200.32,59.013 200.32,17.89 199.47,17.04 199.47,11.137 201.253,9.353 203.114,9.353 203.504,9.743 203.504,10.027 203.977,10.5 J20.K4@204.039,10.5
LVDS7A_N: IC6A.10 J20.F6 R24A.2 | length 125.1
  L4 w0.178: IC6A.10@144.4,75.775 144.733,75.775 144.818,75.86 144.913,75.86 144.926,75.848 145.25,75.848 145.354,75.743 145.354,75.731 145.555,75.53 R24A.2@145.575,75.53 145.595,75.53 145.9,75.835 149.595,75.835 154.726,80.966 192.434,80.966 199.2,74.2 199.2,29.691 211.574,17.317 211.574,15.035 J20.F6@211.039,14.5
LVDS7A_P: IC6A.9 J20.E6 R24A.1 | length 125.6
  L4 w0.178: IC6A.9@144.4,76.275 144.733,76.275 144.818,76.19 145.014,76.19 145.052,76.152 145.25,76.152 145.354,76.257 145.354,76.269 145.555,76.47 R24A.1@145.575,76.47 145.595,76.47 145.9,76.165 149.458,76.165 154.59,81.296 192.571,81.296 199.53,74.337 199.53,29.827 211.904,17.454 211.904,15.035 J20.E6@212.439,14.5
LVDS7B_N: IC6B.10 J20.K5 R24B.2 | length 118.7
  L1 w0.178: IC6B.10@145.436,57.418 145.769,57.418 145.854,57.333 146.392,57.333 146.667,57.333 146.972,57.638 R24B.2@146.992,57.638 147.012,57.638 147.317,57.333 153.966,57.333 164.83,68.197 195.767,68.197 202.725,61.239 202.725,16.762 201.5,15.537 201.5,12.129 201.988,11.641 204.235,11.641 204.474,11.88 204.474,12.027 204.001,12.5 J20.K5@203.939,12.5
LVDS7B_P: IC6B.9 J20.J5 R24B.1 | length 119.3
  L1 w0.178: IC6B.9@145.436,56.918 145.769,56.918 145.854,57.002 146.255,57.002 146.667,57.002 146.972,56.698 R24B.1@146.992,56.698 147.012,56.698 147.317,57.002 154.102,57.002 164.967,67.867 195.631,67.867 202.395,61.103 202.395,16.899 201.17,15.674 201.17,11.993 201.851,11.311 204.372,11.311 204.804,11.743 204.804,12.027 205.277,12.5 J20.J5@205.339,12.5
LVDS8A_N: IC6A.14 J20.I6 R5A.2 | length 124.8
  L4 w0.178: IC6A.14@143.2,74.075 143.2,73.742 143.285,73.657 143.285,73.445 143.393,73.337 143.393,73.189 143.289,73.085 143.287,73.085 143.086,72.884 R5A.2@143.086,72.864 143.086,72.844 143.391,72.539 143.391,72.151 143.929,71.612 145.979,71.612 146.83,72.463 146.83,73.138 147.662,73.97 150.987,73.97 155.823,78.806 191.094,78.806 196.77,73.13 196.77,28.33 207.374,17.726 207.374,15.035 J20.I6@206.839,14.5
LVDS8A_P: IC6A.13 J20.H6 R5A.1 | length 124.8
  L4 w0.178: IC6A.13@143.7,74.075 143.7,73.742 143.615,73.657 143.615,73.546 143.698,73.463 143.698,73.2 143.813,73.085 143.825,73.085 144.026,72.884 R5A.1@144.026,72.864 144.026,72.844 143.721,72.539 143.721,72.287 144.066,71.942 145.842,71.942 146.5,72.6 146.5,73.275 147.525,74.3 150.85,74.3 155.686,79.136 191.231,79.136 197.1,73.267 197.1,28.467 207.704,17.863 207.704,15.035 J20.H6@208.239,14.5
LVDS8B_N: IC6B.14 J20.C4 R5B.2 | length 137
  L1 w0.178: IC6B.14@144.236,59.118 144.236,59.451 144.361,59.576 144.361,60.043 144.056,60.348 R5B.2@144.056,60.368 144.056,60.388 144.361,60.692 144.361,61.557 144.735,61.93 146.261,61.93 147.333,60.858 155.144,60.858 164.816,70.53 197.237,70.53 204.75,63.017 204.75,26.66 212.81,18.6 216.467,18.6 219.23,15.837 219.23,9.982 218.518,9.27 216.247,9.27 215.774,9.743 215.774,10.027 215.301,10.5 J20.C4@215.239,10.5
LVDS8B_P: IC6B.13 J20.B4 R5B.1 | length 134.8
  L1 w0.178: IC6B.13@144.736,59.118 144.713,59.141 144.713,59.527 144.692,59.549 144.692,60.043 144.996,60.348 R5B.1@144.996,60.368 144.996,60.388 144.692,60.692 144.692,61.42 144.871,61.6 146.124,61.6 147.196,60.528 155.281,60.528 164.953,70.2 197.1,70.2 204.42,62.88 204.42,26.523 212.673,18.27 216.33,18.27 218.9,15.7 218.9,10.118 218.382,9.6 216.384,9.6 216.104,9.88 216.104,10.027 216.577,10.5 J20.B4@216.639,10.5
NetB14_1: B14.1 C6.1 R35.2 | length 6.7
  L1 w0.5: B14.1@3.556,94.412 4.212,93.755 R35.2@8.151,93.755 8.051,93.855 C6.1@8.051,95.575
NetC21_1: C21.1 IC4.36 R1.1 R2.2 R33.1 | length 21.6
  L1 w0.2: v1(139.4,10) 139.405,9.995 IC4.36@140.254,9.995 ; R33.1@145.793,5.965 145.808,5.95 v1(146.587,5.95)
  L4 w0.2: R2.2@144.705,11.824 R2.2@144.705,11.945 ; R1.1@144.705,13.425 R2.2@144.705,11.945 ; C21.1@146.179,11.945 R2.2@144.705,11.945 ; v1(146.587,5.95) 146.587,6.5 145.987,7.1 141,7.1 140.1,8 140.1,9.7 139.8,10 v1(139.4,10) 139.4,10.925 140.42,11.945 R2.2@144.705,11.945
NetC22_1: C22.1 R32.2 | length 1.1
  L1 w0.2: R32.2@144.758,3.428 C22.1@144.758,4.45
  L1 w0.3: R32.2@144.73,3.4 R32.2@144.758,3.428
NetC22_2: C22.2 IC4.8 IC4.9 IC4.10 IC4.48 IC4.49 IC4.50 IC4.51 R37.2 | length 19.7
  L1 w0.152: IC4.48@144.554,7.195 144.554,6.444 144.793,6.205 v1(144.793,6.2) 144.758,6.164 C22.2@144.758,5.35 ; v1@144.793,6.284 145.054,6.545 IC4.49@145.054,7.195 ; 145.1,6.545 145.554,6.545 ; IC4.50@145.554,7.195 145.554,6.545 ; IC4.51@146.054,7.195 146.054,6.683 145.916,6.545 145.554,6.545 ; IC4.8@147.854,10.995 148.418,10.995 148.6,11.177 148.6,11.489 148.594,11.495 ; IC4.9@147.854,11.495 148.594,11.495 ; IC4.10@147.854,11.995 148.405,11.995 148.6,11.8 148.6,11.495 ; v1@148.797,10.48 v1(148.803,10.474) 148.869,10.541 148.869,10.844 149,10.975 149,11.291 148.797,11.495 148.6,11.495 ; 148.594,11.495 148.6,11.495
  L4 w0.152: R37.2@144.758,5.665 144.793,5.7 v1(144.793,6.2)
  L4 w0.2: R37.2@144.758,5.565 145.53,5.565 146.022,5.073 148.073,5.073 148.504,5.504 148.504,7.804 149.2,8.5 149.2,9.564 148.84,9.924 148.84,10.437 v1(148.803,10.474)
NetC25_2: C25.2 IC4.47 R37.1 | length 3.3
  L1 w0.2: IC4.47@144.054,7.195 144.054,6.246 v1(144.1,6.2)
  L4 w0.152: v1@144.026,6.2 144.033,6.193 144.033,5.923 C25.2@143.655,5.545 144.041,5.158 144.224,5.158 R37.1@144.758,4.625
NetC94_1: C94.1 R68.2 | length 1.6
  L1 w0.3: C94.1@170.6,18.325 171.275,18.325 171.385,18.435 172.085,18.435 R68.2@172.145,18.495
NetC94_2: C94.2 C121.2 L1.1 L6.2 R101.2 | length 2.8
  L1 w0.381: 168.05,19.3 169,18.35 C94.2@169,18.325 169.205,18.12 R101.2@169.205,17.025
NetC95_2: C95.2 R104.1 | length 1.2
  L1 w0.3: C95.2@178.5,24.935 R104.1@178.5,26.155
NetD1A_3: D1A.3 R69A.2 | length 94.9
  L1 w0.152: D1A.3@6.921,80 7.55,80 8.05,80.5 8.05,82.65 v1(8.425,83.025) ; v1(92.225,79.25) 92.985,79.25 R69A.2@93.006,79.271
  L4 w0.152: v1(8.425,83.025) 9.169,83.769 30.694,83.769 35.627,88.702 82.073,88.702 91.525,79.25 v1(92.225,79.25)
NetD1B_3: D1B.3 R69B.2 | length 52.6
  L1 w0.2: D1B.3@6.977,70.008 6.977,70.258 7.55,70.831 7.821,70.831 8,71.009 8,72.8 v1(8.4,73.2) ; v1(54.625,71.911) 55.398,71.911 R69B.2@55.401,71.914
  L4 w0.2: v1(8.4,73.2) 8.4,73.225 9.675,74.5 50.961,74.5 52.375,73.086 52.95,73.086 54.075,71.961 54.575,71.961 v1(54.625,71.911)
NetD1C_3: D1C.3 R69C.2 | length 92.9
  L1 w0.2: D1C.3@6.921,60 7.63,60 8.05,60.42 v1(8.05,62.9) ; v1(91.851,56.481) R69C.2@92.686,56.481
  L4 w0.2: v1(8.05,62.9) 8.05,62.925 10.162,65.037 82.263,65.037 90.819,56.481 v1(91.851,56.481)
NetD1D_3: D1D.3 R69D.2 | length 54.9
  L1 w0.2: D1D.3@6.921,50 7.55,50 7.95,50.4 7.95,51.9 8.525,52.475 v1(8.525,53.175) ; v1(54.636,49.657) R69D.2@55.471,49.657
  L4 w0.2: v1(8.525,53.175) 11.3,55.95 47.826,55.95 54.086,49.69 54.603,49.69 v1(54.636,49.657)
NetD1E_3: D1E.3 R69E.2 | length 93
  L1 w0.2: D1E.3@6.921,40 7.623,40 7.95,40.327 7.95,42.514 8.525,43.089 v1(8.525,43.171) ; v1(91.816,34.88) R69E.2@92.651,34.88
  L4 w0.2: v1(8.525,43.171) 8.621,43.171 10.025,44.575 41.253,44.575 42.903,42.925 82.8,42.925 90.845,34.88 v1(91.816,34.88)
NetD1F_3: D1F.3 R69F.2 | length 54
  L1 w0.2: D1F.3@6.921,30 6.921,30.25 7.454,30.783 7.725,30.783 8.05,31.108 v1(8.05,32.8) ; v1(54.676,27.738) R69F.2@55.511,27.738
  L4 w0.2: v1(8.05,32.8) 9.25,34 45.3,34 51.562,27.738 v1(54.676,27.738)
NetD1G_3: D1G.3 R69G.2 | length 92.8
  L1 w0.2: D1G.3@6.921,20 7.4,20 7.975,20.575 7.975,22.372 8.325,22.722 v1(8.325,22.8) ; v1(91.859,12.878) R69G.2@92.694,12.878
  L4 w0.2: v1(8.325,22.8) 9.175,23.65 39.17,23.65 40.542,22.278 81.813,22.278 91.213,12.878 v1(91.859,12.878)
NetD1H_3: D1H.3 R69H.2 | length 54
  L1 w0.2: D1H.3@6.977,10.008 7.633,10.008 7.975,10.35 7.975,12.65 v1(8.7,13.375) ; v1(54.579,6.752) R69H.2@55.414,6.752
  L4 w0.2: v1(8.7,13.375) 8.775,13.45 41.35,13.45 48.048,6.752 v1(54.579,6.752)
NetIC1A_20: IC1A.20 IC1A.22 IC1A.39 IC1A.41 IC1B.20 IC1B.22 IC1B.39 IC1B.41 IC6A.20 IC6A.22 IC6A.39 IC6A.41 IC6B.20 IC6B.22 IC6B.39 IC6B.41 R30.1 R31.1 | length 92.4
  L1 w0.152: R31.1@129.075,95.675 129.125,95.725 R30.1@130.549,95.725 130.549,94.674 130.2,94.325 130.2,92.6 ; IC1A.39@129.656,84.15 129.656,84.6 129.456,84.8 ; IC1A.20@130.647,91.041 IC1A.20@130.656,91.05 130.66,91.054 130.66,92.396 130.456,92.6 130.2,92.6 ; v1(139.169,82.391) 137.784,81.006 132.037,81.006 130.652,82.391 130.652,82.937 130.656,82.941 IC1A.41@130.656,84.15 130.647,84.159 130.647,84.809 130.416,85.04 129.696,85.04 129.456,84.8 ; IC6B.39@140.236,52.218 140.236,52.774 140.067,52.943 ; v1@140.346,72.371 v1(140.247,72.47) 140.619,72.842 149.483,72.842 149.704,72.621 149.704,72.45 149.992,72.162 v1(149.992,72.068) ; IC6B.41@141.236,52.218 141.227,52.226 141.227,52.876 140.918,53.186 140.309,53.186 140.067,52.943 ; IC6B.20@141.236,59.118 141.236,59.832 141.24,59.836 141.24,60.464 141.036,60.668 ; v1(149.592,62.567) 149.585,62.575 142.199,62.575 141.036,61.412 141.036,60.668 ; 129.456,84.8 129.052,85.204 129.052,89.805 129.647,90.4 129.647,91.041 IC1A.22@129.656,91.05 129.656,91.712 129.652,91.716 129.652,92.447 129.805,92.6 130.2,92.6 ; 140.067,52.943 139.492,53.518 139.492,57.768 140.227,58.503 140.227,59.109 IC6B.22@140.236,59.118 140.236,59.78 140.232,59.784 140.232,60.408 140.492,60.668 141.036,60.668
  L4 w0.152: IC6A.22@139.2,74.075 139.172,74.103 139.172,74.738 ; IC6A.41@140.2,80.975 140.2,82.032 139.84,82.391 v1(139.169,82.391) 139.169,81.006 IC6A.39@139.2,80.975 139.2,80.245 138.955,80 138.771,80 138.421,79.65 138.421,75.276 138.797,74.9 139.01,74.9 139.172,74.738 ; v1(140.247,72.47) 140.2,72.517 IC6A.20@140.2,74.075 140.172,74.103 140.172,74.663 139.934,74.9 139.456,74.9 139.294,74.738 139.172,74.738 ; v1(149.592,62.567) 149.532,62.627 IC1B.22@149.532,63.573 149.561,63.601 149.561,64.241 ; IC1B.20@150.532,63.573 150.504,63.601 150.504,64.261 150.397,64.367 149.687,64.367 149.561,64.241 ; IC1B.41@150.532,70.473 150.524,70.481 150.524,70.968 150.524,71.642 150.38,71.786 150.368,71.786 150.086,72.068 v1(149.992,72.068) 149.596,71.671 149.596,71.223 149.561,71.188 149.561,70.501 IC1B.39@149.532,70.473 149.532,69.708 149.422,69.598 149.066,69.598 148.792,69.324 148.792,64.783 149.334,64.241 149.561,64.241
NetIC1A_25: IC1A.25 IC1A.26 R20A.2 | length 2.7
  L1 w0.3: R20A.2@126.37,90.2 126.441,90.129 127.023,90.129
  L1 w0.35: IC1A.25@127.945,90.361 127.256,90.361 127.023,90.129 127.302,89.85 IC1A.26@127.956,89.85
NetIC1A_28: IC1A.28 IC1A.29 R19A.2 | length 2.7
  L1 w0.3: R19A.2@126.37,88.702 126.444,88.629 127.023,88.629
  L1 w0.35: IC1A.28@127.945,88.861 127.256,88.861 127.023,88.629 127.302,88.35 IC1A.29@127.956,88.35
NetIC1A_32: IC1A.32 IC1A.33 R18A.2 | length 2.7
  L1 w0.3: R18A.2@126.37,86.67 126.411,86.629 127.023,86.629
  L1 w0.35: IC1A.32@127.945,86.861 127.256,86.861 127.023,86.629 127.302,86.35 IC1A.33@127.956,86.35
NetIC1A_35: IC1A.35 IC1A.36 R17A.2 | length 2.7
  L1 w0.3: R17A.2@126.37,85.1 126.399,85.129 127.023,85.129
  L1 w0.35: IC1A.35@127.945,85.361 127.256,85.361 127.023,85.129 127.302,84.85 IC1A.36@127.956,84.85
NetIC1B_25: IC1B.25 IC1B.26 R20B.2 | length 3.3
  L1 w0.35: R20B.2@145.72,64.551 145.748,64.523 146.871,64.523 v1(146.9,64.494)
  L4 w0.35: IC1B.25@147.821,64.261 147.132,64.261 v1(146.9,64.494) 147.178,64.773 IC1B.26@147.832,64.773
NetIC1B_28: IC1B.28 IC1B.29 R19B.2 | length 3.2
  L1 w0.35: R19B.2@145.72,65.994 v1(146.9,65.994)
  L4 w0.35: IC1B.28@147.821,65.761 147.132,65.761 v1(146.9,65.994) 147.178,66.273 IC1B.29@147.832,66.273
NetIC1B_32: IC1B.32 IC1B.33 R18B.2 | length 3.3
  L1 w0.35: R18B.2@145.72,68.048 145.747,68.021 146.873,68.021 v1(146.9,67.994)
  L4 w0.35: IC1B.32@147.821,67.761 147.132,67.761 v1(146.9,67.994) 147.178,68.273 IC1B.33@147.832,68.273
NetIC1B_35: IC1B.35 IC1B.36 R17B.2 | length 3.2
  L1 w0.35: R17B.2@145.72,69.494 v1(146.9,69.494)
  L4 w0.35: IC1B.35@147.821,69.261 147.132,69.261 v1(146.9,69.494) 147.178,69.773 IC1B.36@147.832,69.773
NetIC3A_3: IC3A.3 IC3A.4 IC3A.5 IC3A.6 IC3A.7 R63A.1 | length 9.5
  L1 w0.254: IC3A.3@98.87,86.511 98.898,86.539 99.938,86.539 100.315,86.916 100.315,87.2 ; IC3A.4@98.87,87.161 100.276,87.161 100.315,87.2 ; IC3A.5@98.87,87.811 100.303,87.811 100.315,87.8 ; IC3A.6@98.87,88.461 98.881,88.472 R63A.1@100.315,88.472 ; IC3A.7@98.87,89.111 100.089,89.111 100.3,88.9 100.3,88.487 R63A.1@100.315,88.472 ; 100.315,87.2 100.315,87.8 ; 100.315,87.8 R63A.1@100.315,88.472
NetIC3A_17: IC3A.17 IC3A.18 IC3A.19 IC3A.20 IC3A.21 R62A.2 R65A.2 | length 11.6
  L1 w0.3: R62A.2@89.58,88.245 89.808,88.472 R65A.2@91.2,88.472 ; R65A.2@91.26,88.332 91.839,87.754 91.839,87.161 92.992,87.161 93.031,87.2 IC3A.21@93.07,87.161 ; IC3A.20@93.07,87.811 92.995,87.886 91.806,87.886 91.56,88.132 91.56,88.467 ; IC3A.19@93.07,88.461 93.064,88.467 91.56,88.467 ; IC3A.18@93.07,89.111 91.87,89.111 ; IC3A.17@93.07,89.761 92.995,89.686 92.046,89.686 91.87,89.51 91.87,89.111 ; 91.56,88.467 91.56,88.801 91.604,88.845 91.625,88.845 91.787,89.008 91.787,89.028 91.87,89.111
NetIC3B_3: IC3B.3 IC3B.4 IC3B.5 IC3B.6 IC3B.7 R63B.1 | length 9.5
  L1 w0.254: IC3B.3@61.25,79.14 61.278,79.168 62.318,79.168 62.694,79.545 62.694,79.829 ; IC3B.4@61.25,79.79 62.656,79.79 62.694,79.829 ; IC3B.5@61.25,80.44 62.683,80.44 62.694,80.429 ; IC3B.6@61.25,81.09 61.261,81.101 R63B.1@62.694,81.101 ; IC3B.7@61.25,81.74 62.469,81.74 62.68,81.529 62.68,81.116 R63B.1@62.694,81.101 ; 62.694,79.829 62.694,80.429 ; 62.694,80.429 R63B.1@62.694,81.101
NetIC3B_17: IC3B.17 IC3B.18 IC3B.19 IC3B.20 IC3B.21 R62B.2 R65B.2 | length 11.3
  L1 w0.3: R62B.2@52.175,80.888 52.403,81.116 R65B.2@53.495,81.116 ; R65B.2@53.555,80.976 54.134,80.397 54.134,79.804 55.287,79.804 55.326,79.843 IC3B.21@55.365,79.804 ; IC3B.20@55.365,80.454 55.29,80.529 54.101,80.529 53.855,80.776 53.855,81.11 ; IC3B.19@55.365,81.104 55.359,81.11 53.855,81.11 ; IC3B.18@55.365,81.754 54.165,81.754 ; IC3B.17@55.365,82.404 55.29,82.329 54.341,82.329 54.165,82.154 54.165,81.754 ; 53.855,81.11 53.855,81.445 53.899,81.489 53.92,81.489 54.082,81.651 54.082,81.672 54.165,81.754